# KiCad board usbc-car-module.kicad_pcb (continued)
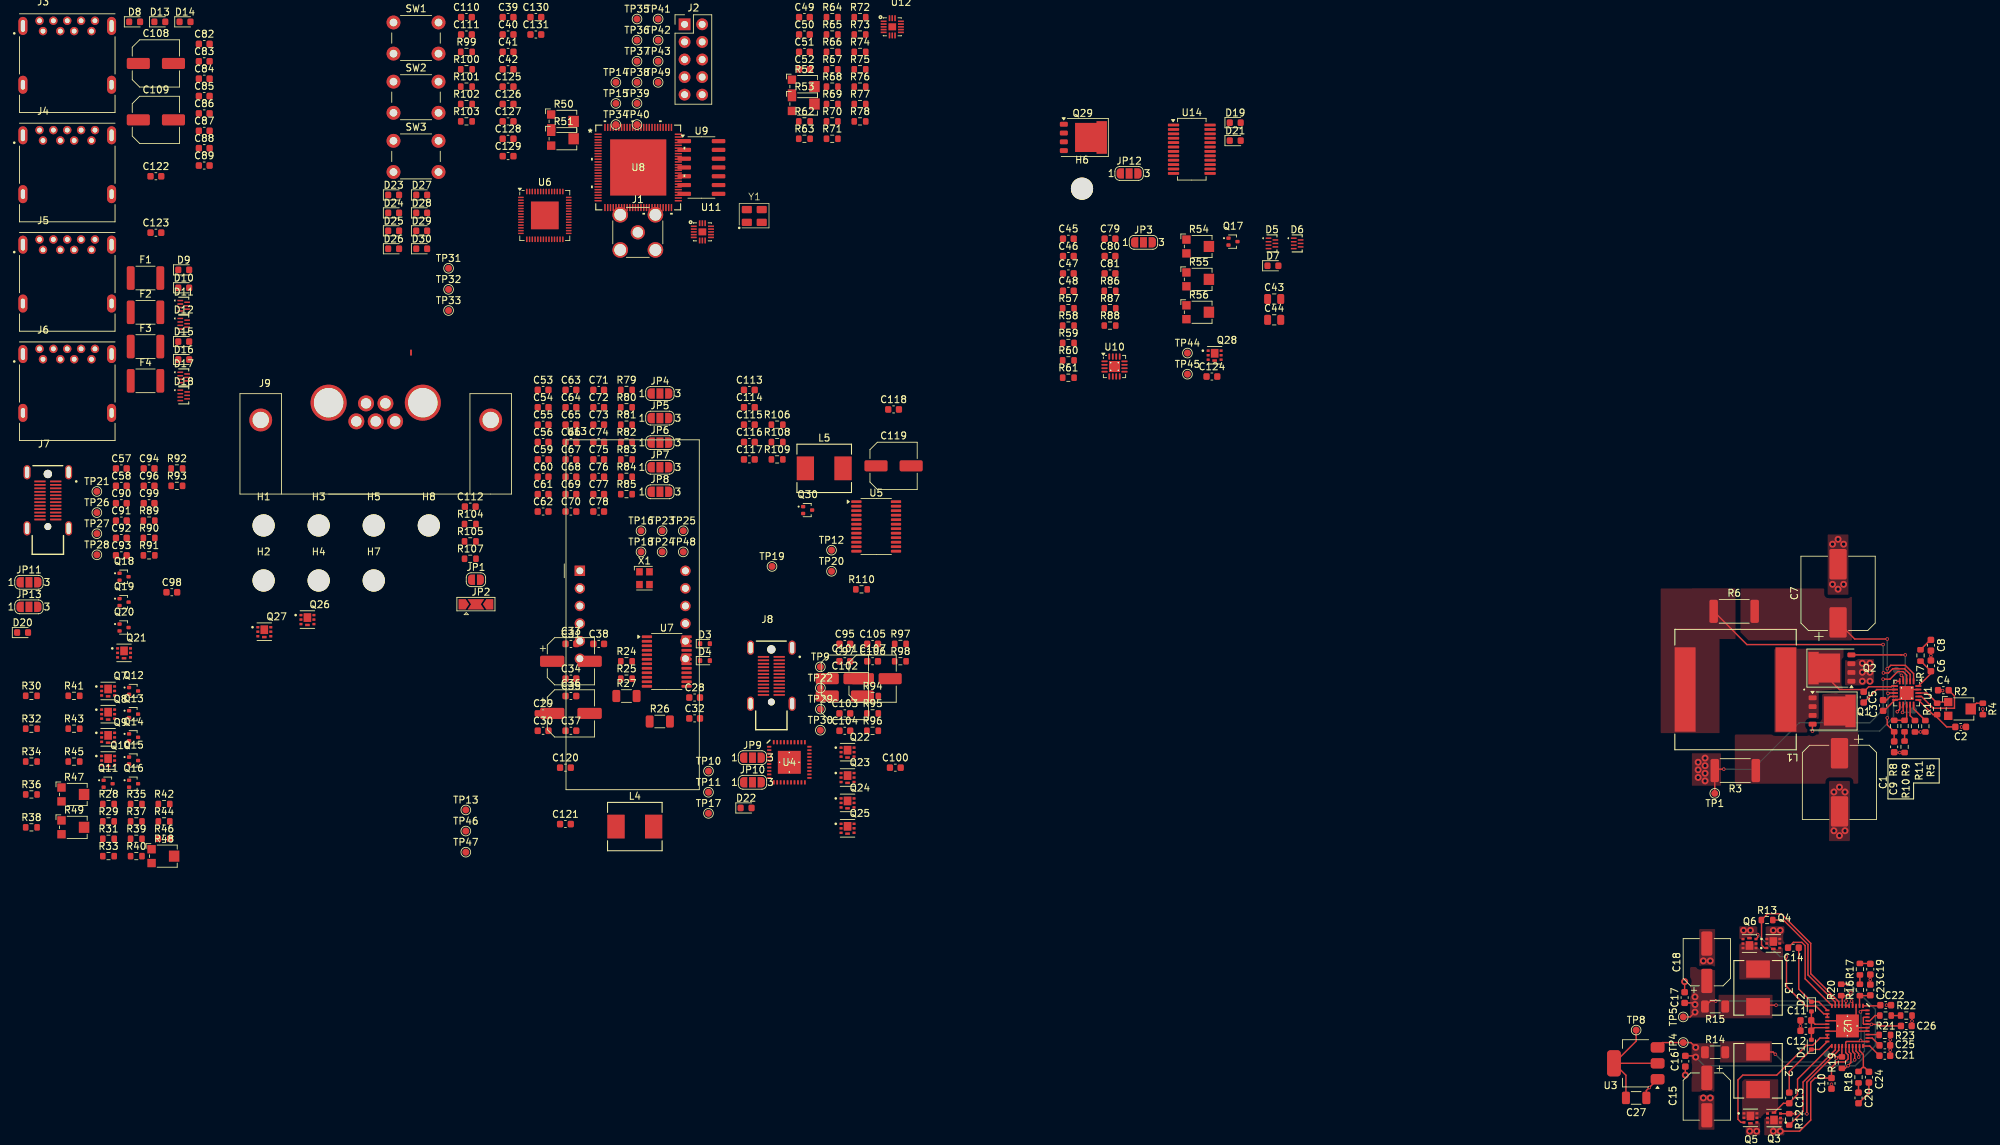
[diagram p0: board, top side]
## Placement (name value [footprint] x y rotation side) (continued)
TP38  TestPoint  [TestPoint_Pad_D1.0mm]  88.69 149.81 0 top
TP39  TestPoint  [TestPoint_Pad_D1.0mm]  88.69 146.76 0 top
TP40  TestPoint  [TestPoint_Pad_D1.0mm]  88.69 143.71 0 top
TP41  TestPoint  [TestPoint_Pad_D1.0mm]  91.74 158.96 0 top
TP42  TestPoint  [TestPoint_Pad_D1.0mm]  91.74 155.91 0 top
TP43  TestPoint  [TestPoint_Pad_D1.0mm]  91.74 152.86 0 top
TP44  TestPoint  [TestPoint_Pad_D1.0mm]  168.15 110.7 0 top
TP45  TestPoint  [TestPoint_Pad_D1.0mm]  168.15 107.65 0 top
TP46  TestPoint  [TestPoint_Pad_D1.0mm]  63.98 41.65 0 top
TP47  TestPoint  [TestPoint_Pad_D1.0mm]  63.98 38.6 0 top
TP48  TestPoint  [TestPoint_Pad_D1.0mm]  95.37 81.98 0 top
TP49  TestPoint  [TestPoint_Pad_D1.0mm]  91.74 149.81 0 top
U1  LM51231-Q1  [QFN-20-1EP_3.5x3.5mm_P0.5mm_EP2x2mm_ThermalVias]  271.97 61.59 270 top
U2  -  [LM5143]  263.42 13.5 270 top
U3  NCP565ST12T3G  [SOT-223-3_TabPin2]  232.87 8.1 180 top
U4  -  [LM5143]  110.68 51.58 0 top
U5  PI4IOE5V6416LEX  [TSSOP-24_4.4x7.8mm_P0.65mm]  123.22 85.65 0 top
U6  ESP32-S2FH2  [QFN-56-1EP_7x7mm_P0.4mm_EP4x4mm]  75.38 130.59 0 top
U7  PI4IOE5V6416LEX  [TSSOP-24_4.4x7.8mm_P0.65mm]  92.99 66.14 0 top
U8  USB5926C  [VQFN100_KD_MCH]  88.86 137.51 0 top
U9  TJA1043T/1J  [SOIC-14_3.9x8.7mm_P1.27mm]  97.99 137.51 0 top
U10  ADS7128  [WQFN-16-1EP_3x3mm_P0.5mm_EP1.6x1.6mm_ThermalVias]  157.62 108.76 0 top
U11  PTN110NHQZ  [PTN110]  98.13 128.21 0 top
U12  PTN110NHQZ  [PTN110]  125.54 157.83 0 top
U13  LTC-5723HR  [CA56-12CGKWA]  80.44 79.25 0 top
U14  AS1115-BSST  [QSOP-24_3.9x8.7mm_P0.635mm]  168.78 140.15 0 top
X1  ECS-2033-250-BN  [Oscillator_SMD_Kyocera_KC2520Z-4Pin_2.5x2.0mm]  89.76 78.18 0 top
Y1  40 MHz  [cx3225sa_e]  105.65 130.48 0 top

## Library data of the parts
C1-C14 C16 C17 C19-C32 C34 C35 C37-C44 C57 C58 C66 C67 C69-C100 C103-C106 C110-C118 C120-C131 = -: ki_fp_filters: C_*
C15 C18 C33 C36 C101 C102 C107-C109 C119 = -: ki_fp_filters: CP_*
C45-C50 C60-C62 C68 = -: Description: Unpolarized capacitor; Digikey Part Number: 399-C0603C104M5RACTUCT-ND; ki_fp_filters: C_*
C51-C56 C59 C63 = -: Description: Unpolarized capacitor; Digikey Part Number: 1276-1038-1-ND; ki_fp_filters: C_*
C64 C65 = -: Description: Unpolarized capacitor; Digikey Part Number: 4713-CHV0603N2508R2BCT-ND; ki_fp_filters: C_*
D1-D4 = -: ki_fp_filters: TO-???* *_Diode_* *SingleDiode* D_*
D7 D8 D13 D14 = -: Sim.Pins: 1=K 2=A; ki_fp_filters: TO-???* *_Diode_* *SingleDiode* D_*
D9 D10 D15 D16 = -: Datasheet: https://www.tme.eu/Document/c222ecc5bb53f0c6776065ca36cb316d/uclamp0501h.pdf; ki_fp_filters: TO-???* *_Diode_* *SingleDiode* D_*
D19-D30 = -: ki_fp_filters: LED* LED_SMD:* LED_THT:*
F1-F4 = -: ki_fp_filters: *polyfuse* *PTC*
H1-H8 = -: ki_fp_filters: MountingHole*
J1 = -: Description: coaxial connector (BNC, SMA, SMB, SMC, Cinch/RCA, LEMO, ...); Digikey Part Number: CONREVSMA001-G-ND; ki_fp_filters: *BNC* *SMA* *SMB* *SMC* *Cinch* *LEMO* *UMRF* *MCX* *U.FL*
J2 = -: Description: Generic connector, double row, 02x05, odd/even pin numbering scheme (row 1 odd numbers, row 2 even numbers), script generated (kicad-library-utils/schlib/autogen/connector/); Digikey Part Number: S9169-ND; ki_fp_filters: Connector*:*_2x??_*
J3-J6 = -: Description: USB-A (USB TYPE-A) USB 3.2 Gen 1 (USB 3.1 Gen 1, Superspeed (USB 3.0)) Receptacle Connector 9 Position Through Hole, Right Angle; DigiKey_Part_Number: WM10413TR-ND; MF: Molex; Purchase-URL: https://www.snapeda.com/api/url_track_click_mouser/?unipart_id=556617&manufacturer=Molex&part_name=0483930003&search_term=None; Package: None; STANDARD: Manufacturer Recommendations; PARTREV: A USB 3.0; SnapEDA_Link: https://www.snapeda.com/parts/0483930003/Molex/view-part/?ref=snap; Check_prices: https://www.snapeda.com/parts/0483930003/Molex/view-part/?ref=eda
J7 J8 = -: Datasheet: https://www.usb.org/sites/default/files/documents/usb_type-c.zip; ki_fp_filters: USB*C*Receptacle*
J9 = -: ki_fp_filters: DSUB*Female*
JP1 JP3-JP13 = -: ki_fp_filters: SolderJumper*Open*
JP2 = -: Description: Solder Jumper, 3-pole, open; ki_fp_filters: SolderJumper*Open*
L1-L5 = -: ki_fp_filters: Choke_* *Coil* Inductor_* L_*
Q1 Q2 Q11-Q20 Q30 = -: Datasheet: https://ngspice.sourceforge.io/docs/ngspice-manual.pdf; Sim.Device: NMOS; Sim.Type: VDMOS; Sim.Pins: 1=D 2=G 3=S
Q21-Q29 = -: Datasheet: https://ngspice.sourceforge.io/docs/ngspice-manual.pdf; Sim.Device: PMOS; Sim.Type: VDMOS; Sim.Pins: 1=D 2=G 3=S
R1-R56 R60 R63 R65-R110 = -: ki_fp_filters: R_*
R57 R58 = -: Description: Resistor; Digikey Part Number: 541-1.00KHCT-ND; ki_fp_filters: R_*
R59 R61 = -: Description: Resistor; Digikey Part Number: RMCF0603JT10K0CT-ND; ki_fp_filters: R_*
R62 R64 = -: Description: Resistor; Digikey Part Number: 541-5507-1-ND; ki_fp_filters: R_*
TP1-TP12 TP30-TP37 TP39 TP41-TP43 TP45 = -: ki_fp_filters: Pin* Test*
TP13-TP29 TP38 TP40 TP44 TP46-TP49 = -: Description: test point; ki_fp_filters: Pin* Test*
U3 = -: Datasheet: http://www.advanced-monolithic.com/pdf/ds1117.pdf; ki_fp_filters: SOT?223*TabPin2*
U6 = -: Datasheet: https://www.espressif.com/sites/default/files/documentation/esp32-s2_datasheet_en.pdf; Description: Microcontroller, Wi-Fi 802.11b/g/n, Bluetooth, 32bit; Digikey Part Number: 1904-ESP32-S2FH2CT-ND; ki_fp_filters: QFN*1EP*7x7mm*P0.4mm*
U9 = -: Datasheet: https://www.nxp.com/docs/en/data-sheet/TJA1043.pdf; Description: High-speed CAN-FD Transceiver with Sleep Mode, SOIC-14; Digikey Part Number: 568-13274-1-ND; ki_fp_filters: SOIC*3.9x8.7mm*P1.27mm*
U13 = -: Datasheet: http://www.kingbright.com/attachments/file/psearch/000/00/00/CC56-12CGKWA(Ver.8A).pdf; ki_fp_filters: *CA56*12CGKWA*
U14 = -: Datasheet: https://ams.com/documents/20143/36005/AS1115_DS000206_1-00.pdf/3d3e6d35-b184-1329-adf9-2d769eb2404f; ki_fp_filters: QSOP*3.9x8.7m*P0.635mm*
X1 = -: Datasheet: http://www.txccorp.com/download/products/osc/7C_o.pdf; ki_fp_filters: Oscillator*SMD*TXC*7C*5.0x3.2mm*
Y1 = -: Description: Four pin crystal, GND on pins 2 and 3; Digikey Part Number: 478-CX3225SA40000D0PTWCCCT-ND; ki_fp_filters: Crystal*

## Footprints (pads in the part's own frame, mm; a bottom-side part is the same pattern mirrored in y, then rotated)
684M7W2103L461
  round 5.2 hole 4.25: 1(-6.8,2.7) 2(6.8,2.7)
  round 2.3 hole 1.5: 3(-2.8,0) 4(0,0) 5(2.8,0) 6(-1.4,2.6) 7(1.4,2.6)
  round 3.3 hole 2.35: S(-16.6,0.2) S(16.6,0.2)
C_0603_1608Metric
  rrect 0.9x0.95 smd: 1(-0.775,0) 2(0.775,0)
C_0805_2012Metric
  rrect 1x1.45 smd: 1(-0.95,0) 2(0.95,0)
C_1206_3216Metric
  rrect 1.15x1.8 smd: 1(-1.475,0) 2(1.475,0)
C_Elec_6.3x5.8
  rrect 3.325x1.6 smd: 1(-2.538,0) 2(2.538,0)
CA56-12CGKWA
  rect 1.5x1.5 hole 1: 1(0,0)
  round 1.5 hole 1: 2(0,-2.54) 3(0,-5.08) 4(0,-7.62) 5(0,-10.16) 6(0,-12.7) 7(15.24,-12.7) 8(15.24,-10.16) 9(15.24,-7.62) 10(15.24,-5.08) 11(15.24,-2.54) 12(15.24,0)
CP_Elec_6.3x7.7
  rrect 3.5x1.6 smd: 1(-2.7,0) 2(2.7,0)
CP_Elec_10x10.5
  rrect 4.4x2.5 smd: 1(-4.2,0) 2(4.2,0)
cx3225sa_e
  rrect 1.45x1.05 smd: 1(-1.1,-0.9) 2(1.05,-0.9) 3(1.05,0.95) 4(-1.1,0.95)
D_0603_1608Metric
  rrect 0.875x0.95 smd: 1(-0.787,0) 2(0.787,0)
D_SOD-523
  rrect 0.6x0.7 smd: 1(-0.7,0) 2(0.7,0)
Fuse_1812_4532Metric
  rrect 1.125x3.4 smd: 1(-2.138,0) 2(2.138,0)
IND25X25CZ
  rect 2.489x3.429 smd: 1(-2.718,0) 2(2.718,0)
IND-6767GZ_VIS
  rect 3.023x12.192 smd: 1(-7.277,0) 2(7.277,0)
LM5143
  rect 0.6x0.25 smd: 1(-2.9,2.25) 2(-2.9,1.75) 3(-2.9,1.25) 4(-2.9,0.75) 5(-2.9,0.25) 6(-2.9,-0.25) 7(-2.9,-0.75) 8(-2.9,-1.25) 9(-2.9,-1.75) 10(-2.9,-2.25) 21(2.9,-2.25) 22(2.9,-1.75) 23(2.9,-1.25) 24(2.9,-0.75) 25(2.9,-0.25) 26(2.9,0.25) 27(2.9,0.75) 28(2.9,1.25) 29(2.9,1.75) 30(2.9,2.25)
  rect 0.25x0.6 smd: 11(-2.25,-2.9) 12(-1.75,-2.9) 13(-1.25,-2.9) 14(-0.75,-2.9) 15(-0.25,-2.9) 16(0.25,-2.9) 17(0.75,-2.9) 18(1.25,-2.9) 19(1.75,-2.9) 20(2.25,-2.9) 31(2.25,2.9) 32(1.75,2.9) 33(1.25,2.9) 34(0.75,2.9) 35(0.25,2.9) 36(-0.25,2.9) 37(-0.75,2.9) 38(-1.25,2.9) 39(-1.75,2.9) 40(-2.25,2.9)
  round 0.5 hole 0.203: 41(-1.4,0) 41(0,1.4) 41(0,0) 41(0,-1.4) 41(1.4,0)
  rect 3.3x3.3 smd: 41(0,0)
MOLEX_0483930003
  round 1.208 hole 0.7: 1(-3.5,4.625) 2(-1,4.625) 3(1,4.625) 4(3.5,4.625) 5(4,6.125) 6(2,6.125) 7(0,6.125) 8(-2,6.125) 9(-4,6.125)
  oval 1.3x2.6 hole 0.6x1.7: S(-6.4,5.375) S(6.4,5.375)
  oval 1.3x2.6 hole 0.6x1.4: S(-6.4,-3.125) S(6.4,-3.125)
MountingHole_3.2mm_M3
  round 3.2 hole 3.2 unplated: (0,0)
Oscillator_SMD_Kyocera_KC2520Z-4Pin_2.5x2.0mm
  rect 0.95x1.05 smd: 1(-0.725,0.925) 2(-0.725,-0.925) 3(0.725,-0.925) 4(0.725,0.925)
PinHeader_2x05_P2.54mm_Vertical
  rect 1.7x1.7 hole 1: 1(0,0)
  round 1.7 hole 1: 2(2.54,0) 3(0,-2.54) 4(2.54,-2.54) 5(0,-5.08) 6(2.54,-5.08) 7(0,-7.62) 8(2.54,-7.62) 9(0,-10.16) 10(2.54,-10.16)
Potentiometer_Bourns_TC33X_Vertical
  rect 1.2x1.2 smd: 1(-1.8,1) 3(-1.8,-1)
  rect 1.5x1.6 smd: 2(1.45,0)
PQFN-8-EP_6x5mm_P1.27mm_Generic
  rect 0.6x0.9 smd: (-0.55,1.15) (-0.55,0) (-0.55,-1.15) (0.3,1.15) (0.3,0) (0.3,-1.15) (1.15,1.15) (1.15,0) (1.15,-1.15) (2,1.15) (2,0) (2,-1.15)
  rect 0.9x0.6 smd: (3,1.905) (3,0.635) (3,-0.635) (3,-1.905)
  rrect 1.15x0.7 smd: 1(-2.725,1.905) 2(-2.725,0.635) 3(-2.725,-0.635) 4(-2.725,-1.905)
  custom 4.6x4.7 smd: 5(0,0)
PTN110
  rrect 0.84x0.22 smd: 1(-1.245,0.8) 2(-1.245,0.4) 3(-1.245,0) 4(-1.245,-0.4) 5(-1.245,-0.8) 9(1.245,-0.8) 10(1.245,-0.4) 11(1.245,0) 12(1.245,0.4) 13(1.245,0.8)
  rrect 0.22x0.84 smd: 6(-0.4,-1.245) 7(0,-1.245) 8(0.4,-1.245) 14(0.4,1.245) 15(0,1.245) 16(-0.4,1.245)
  rect 1.1x1 smd: 17(0,0)
PUSB3AB6Z_NEX
  rect 0.813x0.203 smd: 1(-0.495,0.75) 2(-0.495,0.25) 3(-0.495,-0.25) 4(-0.495,-0.75) 5(0.495,-0.5) 6(0.495,0) 7(0.495,0.5)
QFN-20-1EP_3.5x3.5mm_P0.5mm_EP2x2mm_ThermalVias
  rrect 0.87x0.87 smd: (-0.5,0.5) (-0.5,-0.5) (0.5,0.5) (0.5,-0.5)
  rrect 0.875x0.25 smd: 1(-1.688,1) 2(-1.688,0.5) 3(-1.688,0) 4(-1.688,-0.5) 5(-1.688,-1) 11(1.688,-1) 12(1.688,-0.5) 13(1.688,0) 14(1.688,0.5) 15(1.688,1)
  rrect 0.25x0.875 smd: 6(-1,-1.688) 7(-0.5,-1.688) 8(0,-1.688) 9(0.5,-1.688) 10(1,-1.688) 16(1,1.688) 17(0.5,1.688) 18(0,1.688) 19(-0.5,1.688) 20(-1,1.688)
  round 0.5 hole 0.2: 21(-0.75,0.75) 21(-0.75,-0.75) 21(0.75,0.75) 21(0.75,-0.75)
  rect 2x2 smd: 21(0,0)
QFN-56-1EP_7x7mm_P0.4mm_EP4x4mm
  rrect 1.07x1.07 smd: (-1.33,1.33) (-1.33,0) (-1.33,-1.33) (0,1.33) (0,0) (0,-1.33) (1.33,1.33) (1.33,0) (1.33,-1.33)
  rrect 0.8x0.2 smd: 1(-3.45,2.6) 2(-3.45,2.2) 3(-3.45,1.8) 4(-3.45,1.4) 5(-3.45,1) 6(-3.45,0.6) 7(-3.45,0.2) 8(-3.45,-0.2) 9(-3.45,-0.6) 10(-3.45,-1) 11(-3.45,-1.4) 12(-3.45,-1.8) 13(-3.45,-2.2) 14(-3.45,-2.6) 29(3.45,-2.6) 30(3.45,-2.2) 31(3.45,-1.8) 32(3.45,-1.4) 33(3.45,-1) 34(3.45,-0.6) 35(3.45,-0.2) 36(3.45,0.2) 37(3.45,0.6) 38(3.45,1) 39(3.45,1.4) 40(3.45,1.8) 41(3.45,2.2) 42(3.45,2.6)
  rrect 0.2x0.8 smd: 15(-2.6,-3.45) 16(-2.2,-3.45) 17(-1.8,-3.45) 18(-1.4,-3.45) 19(-1,-3.45) 20(-0.6,-3.45) 21(-0.2,-3.45) 22(0.2,-3.45) 23(0.6,-3.45) 24(1,-3.45) 25(1.4,-3.45) 26(1.8,-3.45) 27(2.2,-3.45) 28(2.6,-3.45) 43(2.6,3.45) 44(2.2,3.45) 45(1.8,3.45) 46(1.4,3.45) 47(1,3.45) 48(0.6,3.45) 49(0.2,3.45) 50(-0.2,3.45) 51(-0.6,3.45) 52(-1,3.45) 53(-1.4,3.45) 54(-1.8,3.45) 55(-2.2,3.45) 56(-2.6,3.45)
  rect 4x4 smd: 57(0,0)
QSOP-24_3.9x8.7mm_P0.635mm
  rrect 1.625x0.4 smd: 1(-2.638,3.493) 2(-2.638,2.857) 3(-2.638,2.223) 4(-2.638,1.587) 5(-2.638,0.953) 6(-2.638,0.318) 7(-2.638,-0.318) 8(-2.638,-0.953) 9(-2.638,-1.587) 10(-2.638,-2.223) 11(-2.638,-2.857) 12(-2.638,-3.493) 13(2.638,-3.493) 14(2.638,-2.857) 15(2.638,-2.223) 16(2.638,-1.587) 17(2.638,-0.953) 18(2.638,-0.318) 19(2.638,0.318) 20(2.638,0.953) 21(2.638,1.587) 22(2.638,2.223) 23(2.638,2.857) 24(2.638,3.493)
R_0603_1608Metric
  rrect 0.8x0.95 smd: 1(-0.825,0) 2(0.825,0)
R_1206_3216Metric
  rrect 1.125x1.75 smd: 1(-1.462,0) 2(1.462,0)
R_2512_6332Metric
  rrect 1.225x3.35 smd: 1(-2.962,0) 2(2.962,0)
SMA_Amphenol_132291-12_Vertical
  round 2.05 hole 1.5: 1(0,0)
  round 2.25 hole 1.7: 2(-2.54,2.54) 2(-2.54,-2.54) 2(2.54,2.54) 2(2.54,-2.54)
SOIC-14_3.9x8.7mm_P1.27mm
  rrect 1.95x0.6 smd: 1(-2.475,3.81) 2(-2.475,2.54) 3(-2.475,1.27) 4(-2.475,0) 5(-2.475,-1.27) 6(-2.475,-2.54) 7(-2.475,-3.81) 8(2.475,-3.81) 9(2.475,-2.54) 10(2.475,-1.27) 11(2.475,0) 12(2.475,1.27) 13(2.475,2.54) 14(2.475,3.81)
SolderJumper-2_P1.3mm_Open_RoundedPad1.0x1.5mm
  custom 1x1.5 smd: 1(-0.65,0) 2(0.65,0)
SolderJumper-3_P1.3mm_Open_RoundedPad1.0x1.5mm_NumberLabels
  custom 1.05x1.5 smd: 1(-1.3,0) 3(1.3,0)
  rect 1x1.5 smd: 2(0,0)
SolderJumper-3_P2.0mm_Open_TrianglePad1.0x1.5mm
  custom 1.5x1.5 smd: 1(-2,0) 3(2,0)
  custom 2.4x1.5 smd: 2(0,0)
SOT-223-3_TabPin2
  rrect 2x1.5 smd: 1(-3.15,2.3) 2(-3.15,0) 3(-3.15,-2.3)
  rrect 2x3.8 smd: 2(3.15,0)
SOT-416
  rrect 0.6x0.5 smd: 1(-0.65,0.5) 2(-0.65,-0.5) 3(0.65,0)
SW_PUSH_6mm
  round 2 hole 1.1: 1(0,0) 1(6.5,0) 2(0,-4.5) 2(6.5,-4.5)
TestPoint_Pad_D1.0mm
  round 1 smd: 1(0,0)
TRANS_PMPB11EN_115
  rect 0.43x0.35 smd: 1(-0.935,0.65) 2(-0.935,0) 3(-0.935,-0.65) 4(0.935,-0.65) 5(0.935,0) 6(0.935,0.65)
  rect 1.1x1.25 smd: 7(0,0.285)
  rect 0.66x0.35 smd: 8(0,-0.775)
TSSOP-24_4.4x7.8mm_P0.65mm
  rrect 1.475x0.4 smd: 1(-2.862,3.575) 2(-2.862,2.925) 3(-2.862,2.275) 4(-2.862,1.625) 5(-2.862,0.975) 6(-2.862,0.325) 7(-2.862,-0.325) 8(-2.862,-0.975) 9(-2.862,-1.625) 10(-2.862,-2.275) 11(-2.862,-2.925) 12(-2.862,-3.575) 13(2.862,-3.575) 14(2.862,-2.925) 15(2.862,-2.275) 16(2.862,-1.625) 17(2.862,-0.975) 18(2.862,-0.325) 19(2.862,0.325) 20(2.862,0.975) 21(2.862,1.625) 22(2.862,2.275) 23(2.862,2.925) 24(2.862,3.575)
USB4200-03-A_REVA
  round 1.2 hole 1.2 unplated: (0,3.8)
  round 1 hole 1 unplated: (0,-3.8)
  rect 1.625x0.25 smd: A1(1.137,2.725) A2(1.137,2.225) A3(1.137,1.725) A4(1.137,1.225) A5(1.137,0.725) A6(1.137,0.225) A7(1.137,-0.275) A8(1.137,-0.775) A9(1.137,-1.275) A10(1.137,-1.775) A11(1.137,-2.275) A12(1.137,-2.775) B1(-1.137,-2.775) B2(-1.137,-2.275) B3(-1.137,-1.775) B4(-1.137,-1.275) B5(-1.137,-0.775) B6(-1.137,-0.275) B7(-1.137,0.225) B8(-1.137,0.725) B9(-1.137,1.225) B10(-1.137,1.725) B11(-1.137,2.225) B12(-1.137,2.725)
  oval 1x2.05 hole 0.6x1.65: S1(3,4.05) S2(3,-4.05) S3(-3,4.05) S4(-3,-4.05)
VQFN100_KD_MCH
  rect 1.016x0.203 smd: 1(-5.791,4.8) 2(-5.791,4.4) 3(-5.791,4) 4(-5.791,3.6) 5(-5.791,3.2) 6(-5.791,2.8) 7(-5.791,2.4) 8(-5.791,2) 9(-5.791,1.6) 10(-5.791,1.2) 11(-5.791,0.8) 12(-5.791,0.4) 13(-5.791,0) 14(-5.791,-0.4) 15(-5.791,-0.8) 16(-5.791,-1.2) 17(-5.791,-1.6) 18(-5.791,-2) 19(-5.791,-2.4) 20(-5.791,-2.8) 21(-5.791,-3.2) 22(-5.791,-3.6) 23(-5.791,-4) 24(-5.791,-4.4) 25(-5.791,-4.8) 51(5.791,-4.8) 52(5.791,-4.4) 53(5.791,-4) 54(5.791,-3.6) 55(5.791,-3.2) 56(5.791,-2.8) 57(5.791,-2.4) 58(5.791,-2) 59(5.791,-1.6) 60(5.791,-1.2) 61(5.791,-0.8) 62(5.791,-0.4) 63(5.791,0) 64(5.791,0.4) 65(5.791,0.8) 66(5.791,1.2) 67(5.791,1.6) 68(5.791,2) 69(5.791,2.4) 70(5.791,2.8) 71(5.791,3.2) 72(5.791,3.6) 73(5.791,4) 74(5.791,4.4) 75(5.791,4.8)
  rect 0.203x1.016 smd: 26(-4.8,-5.791) 27(-4.4,-5.791) 28(-4,-5.791) 29(-3.6,-5.791) 30(-3.2,-5.791) 31(-2.8,-5.791) 32(-2.4,-5.791) 33(-2,-5.791) 34(-1.6,-5.791) 35(-1.2,-5.791) 36(-0.8,-5.791) 37(-0.4,-5.791) 38(0,-5.791) 39(0.4,-5.791) 40(0.8,-5.791) 41(1.2,-5.791) 42(1.6,-5.791) 43(2,-5.791) 44(2.4,-5.791) 45(2.8,-5.791) 46(3.2,-5.791) 47(3.6,-5.791) 48(4,-5.791) 49(4.4,-5.791) 50(4.8,-5.791) 76(4.8,5.791) 77(4.4,5.791) 78(4,5.791) 79(3.6,5.791) 80(3.2,5.791) 81(2.8,5.791) 82(2.4,5.791) 83(2,5.791) 84(1.6,5.791) 85(1.2,5.791) 86(0.8,5.791) 87(0.4,5.791) 88(0,5.791) 89(-0.4,5.791) 90(-0.8,5.791) 91(-1.2,5.791) 92(-1.6,5.791) 93(-2,5.791) 94(-2.4,5.791) 95(-2.8,5.791) 96(-3.2,5.791) 97(-3.6,5.791) 98(-4,5.791) 99(-4.4,5.791) 100(-4.8,5.791)
  rect 8.103x8.103 smd: 101(0,0)
WQFN-16-1EP_3x3mm_P0.5mm_EP1.6x1.6mm_ThermalVias
  rrect 0.69x0.69 smd: (-0.4,0.4) (-0.4,-0.4) (0.4,0.4) (0.4,-0.4)
  rrect 0.875x0.25 smd: 1(-1.438,0.75) 2(-1.438,0.25) 3(-1.438,-0.25) 4(-1.438,-0.75) 9(1.438,-0.75) 10(1.438,-0.25) 11(1.438,0.25) 12(1.438,0.75)
  rrect 0.25x0.875 smd: 5(-0.75,-1.438) 6(-0.25,-1.438) 7(0.25,-1.438) 8(0.75,-1.438) 13(0.75,1.438) 14(0.25,1.438) 15(-0.25,1.438) 16(-0.75,1.438)
  round 0.5 hole 0.2: 17(-0.55,0.55) 17(-0.55,-0.55) 17(0.55,0.55) 17(0.55,-0.55)
  rect 1.6x1.6 smd: 17(0,0)
  rect 1.6x1.6 smd far side: 17(0,0)

## Nets
5V_ADC: R67.2 R76.1 U10.1
5V_CSN: L3.2 R15.1 R68.1 U2.4
5V_CSN_ADC: R68.2 R77.1 U10.2
21V_ADC: R65.2 R74.1 U10.15
21V_COMP: C6.1 R7.1 U1.20
21V_CSN: C1.1 Q1.5 R3.1 R66.1
21V_CSN_ADC: R66.2 R75.1 U10.16
+1V2: C27.1 C78.1 C79.1 C80.1 C81.1 C82.1 C83.1 C84.1 C90.2 C91.2 C92.2 C93.2 C94.2 C95.2 C96.2 TP8.1 U3.2 U8.10 U8.17 U8.26 U8.32 U8.39 U8.47 U8.59 U8.78 U8.83 U8.90 U8.98
+3V3: C15.1 C16.1 C45.1 C46.1 C47.1 C48.1 C49.1 C50.1 C51.1 C52.1 C53.1 C54.1 C55.1 C56.1 C57.1 C58.1 C59.1 C60.1 C61.1 C66.1 C67.1 C69.1 C70.1 C71.1 C73.2 C74.2 C75.2 C76.2 C77.2 C85.1 C86.1 C87.1 C88.1 C89.1 C116.1 C117.1 C126.1 C127.1 C129.1 C130.1 J2.2 JP3.1 JP4.1 JP5.1 JP6.1 JP8.3 JP10.3 R14.1 R19.1 R20.2 R30.1 R31.2 R57.1 R58.1 R59.1 R60.1 R61.1 R63.1 R84.2 R87.2 R93.2 R94.2 R99.2 R100.2 R103.1 R104.1 R105.1 R106.1 R107.1 TP4.1 U2.26 U3.3 U5.2 U5.21 U5.24 U6.1 U6.3 U6.4 U6.20 U6.27 U6.30 U6.45 U6.51 U6.54 U7.2 U7.24 U8.2 U8.5 U8.27 U8.42 U8.54 U8.64 U8.72 U8.93 U9.3 U9.5 U10.7 U10.10 U11.3 U12.3 U14.19 X1.1 X1.4
+5V: C17.1 C18.1 F1.2 F2.2 F3.2 F4.2 JP8.1 JP9.3 JP10.1 JP11.3 R15.2 R67.1 TP5.1 U2.5 U2.6 U4.6
+12V: C62.1 C63.1 U9.10
+21V: C10.2 C28.2 Q3.1 Q3.2 Q3.5 Q3.6 Q3.7 Q4.1 Q4.2 Q4.5 Q4.6 Q4.7 Q7.1 Q7.2 Q7.5 Q7.6 Q7.7 Q8.1 Q8.2 Q8.5 Q8.6 Q8.7 R3.2 R65.1 TP1.1 U1.3 U2.25 U2.31 U2.40 U4.25
/12-21V INPUT BOOST CONVERTER/21V_COMP_1: C8.1 R7.2
/12-21V INPUT BOOST CONVERTER/21V_VCC: C3.1 U1.9
GND: C1.2 C2.2 C3.2 C4.1 C6.2 C7.2 C8.2 C9.2 C10.1 C11.2 C12.2 C15.2 C16.2 C17.2 C18.2 C19.2 C20.1 C21.1 C22.1 C23.2 C24.1 C25.1 C26.1 C27.2 C28.1 C29.2 C30.2 C33.2 C34.2 C35.2 C36.2 C37.2 C38.1 C39.1 C40.1 C41.2 C42.1 C43.1 C44.1 C45.2 C46.2 C47.2 C48.2 C49.2 C50.2 C51.2 C52.2 C53.2 C54.2 C55.2 C56.2 C57.2 C58.2 C59.2 C60.2 C61.2 C62.2 C63.2 C64.2 C65.2 C66.2 C67.2 C68.2 C69.2 C70.2 C71.2 C72.2 C73.1 C74.1 C75.1 C76.1 C77.1 C78.2 C79.2 C80.2 C81.2 C82.2 C83.2 C84.2 C85.2 C86.2 C87.2 C88.2 C89.2 C90.1 C91.1 C92.1 C93.1 C94.1 C95.1 C96.1 C101.2 C102.2 C107.2 C108.2 C109.2 C114.2 C115.1 C116.2 C117.2 C118.2 C119.2 C124.2 C125.1 C126.2 C127.2 C128.2 C129.2 C130.2 C131.1 D5.2 D6.2 D9.2 D10.2 D11.2 D12.2 D15.2 D16.2 D17.2 D18.2 J1.2 J2.1 J3.4 J3.7 J4.4 J4.7 J5.4 J5.7 J6.4 J6.7 J7.A1 J7.A12 J7.B1 J7.B12 J8.A1 J8.A12 J8.B1 J8.B12 J9.2 JP3.3 JP4.3 JP5.3 JP6.3 Q2.1 Q2.2 Q2.3 Q5.4 Q5.8 Q6.4 Q6.8 Q9.4 Q9.8 Q10.4 Q10.8 Q11.3 Q12.3 Q13.3 Q14.3 Q15.3 Q16.3 Q17.3 Q18.3 Q19.3 Q20.3 Q30.2 R4.2 R5.1 R10.2 R11.2 R22.2 R23.2 R33.2 R34.2 R74.2 R75.2 R76.2 R77.2 R78.2 R79.2 R80.2 R81.2 R83.2 R85.1 R88.2 R90.2 R109.2 R110.1 SW1.2 SW2.2 SW3.2 U1.10 U1.19 U1.21 U2.3 U2.14 U2.17 U2.34 U2.35 U2.41 U3.1 U4.14 U4.17 U4.34 U4.35 U4.41 U5.12 U6.50 U6.55 U6.57 U7.12 U7.21 U8.23 U8.101 U9.2 U10.9 U10.17 U11.17 U12.5 U12.17 U14.6 X1.2 Y1.2 Y1.4
GNDS: C131.2 J3.S J4.S J5.S J6.S J9.S R110.2
VDDA_U2: C26.2 U2.28 U2.36 U2.38
5_3.3_SYNC_OUT: R34.1 TP12.1 U2.39 U4.33
/12-21V INPUT BOOST CONVERTER/CSN: L1.2 R6.1 U1.2
/12-21V INPUT BOOST CONVERTER/HB: C5.1 U1.7
/12-21V INPUT BOOST CONVERTER/HI_SW: Q1.4 U1.5
/12-21V INPUT BOOST CONVERTER/LO_SW: Q2.4 U1.11
/12-21V INPUT BOOST CONVERTER/RT: R5.2 U1.15
/12-21V INPUT BOOST CONVERTER/SS: C4.2 U1.17
/12-21V INPUT BOOST CONVERTER/SW: C5.2 L1.1 Q1.1 Q1.2 Q1.3 Q2.5 U1.6
/12-21V INPUT BOOST CONVERTER/TRK: R1.2 R2.1 U1.18
/12-21V INPUT BOOST CONVERTER/UVLO/EN: R8.2 R9.1 U1.13
/12-21V INPUT BOOST CONVERTER/VREF: C2.1 R1.1 U1.16
/BACK_UFP_USB_C_PORT/UFP_TXA_N: C110.1 J7.A3
/BACK_UFP_USB_C_PORT/UFP_TXA_P: C111.2 J7.A2
/BACK_UFP_USB_C_PORT/UFP_TXB_N: C112.1 J7.B3
/BACK_UFP_USB_C_PORT/UFP_TXB_P: C113.2 J7.B2
/FRONT_DFP_USB_C_PORT/DFP_RXA_N: C122.1 J8.A10
/FRONT_DFP_USB_C_PORT/DFP_RXA_P: C123.2 J8.A11
/FRONT_DFP_USB_C_PORT/DFP_RXB_N: C120.1 J8.B10
/FRONT_DFP_USB_C_PORT/DFP_RXB_P: C121.2 J8.B11
/USBA_PORTS/P2_2_N: D5.1 J3.3 U8.36
/USBA_PORTS/P2_2_P: D5.7 J3.2 U8.35
/USBA_PORTS/P2_RX_N: D5.4 J3.5 U8.41
/USBA_PORTS/P2_RX_P: D5.3 J3.6 U8.40
/USBA_PORTS/P2_TX_N: C99.2 U8.38
/USBA_PORTS/P2_TX_P: C97.1 U8.37
/USBA_PORTS/P2_TXP_N: C99.1 D5.6 J3.8
/USBA_PORTS/P2_TXP_P: C97.2 D5.5 J3.9
/USBA_PORTS/P3_2_N: D6.1 J4.3 U8.44
/USBA_PORTS/P3_2_P: D6.7 J4.2 U8.43
/USBA_PORTS/P3_RX_N: D6.4 J4.5 U8.49
/USBA_PORTS/P3_RX_P: D6.3 U8.48
/USBA_PORTS/P3_TX_N: C100.2 U8.46
/USBA_PORTS/P3_TX_P: C98.1 U8.45
/USBA_PORTS/P3_TXP_N: C100.1 D6.6 J4.8
/USBA_PORTS/P3_TXP_P: C98.2 D6.5 J4.9
/USBA_PORTS/P4_2_N: D12.1 J6.2 U8.87
/USBA_PORTS/P4_2_P: D12.7 J6.3 U8.86
/USBA_PORTS/P4_RX_N: D12.4 J6.5 U8.92
/USBA_PORTS/P4_RX_P: D12.3 J6.6 U8.91
/USBA_PORTS/P4_TX_N: C106.2 U8.89
/USBA_PORTS/P4_TX_P: C104.1 U8.88
/USBA_PORTS/P4_TXP_N: C106.1 D12.6 J6.8
/USBA_PORTS/P4_TXP_P: C104.2 D12.5 J6.9
/USBA_PORTS/P5_2_N: D11.1 J5.3 U8.29
/USBA_PORTS/P5_2_P: D11.7 J5.2 U8.28
/USBA_PORTS/P5_RX_N: D11.4 J5.5 U8.34
/USBA_PORTS/P5_RX_P: D11.3 J5.6 U8.33
/USBA_PORTS/P5_TX_N: C105.2 U8.31
/USBA_PORTS/P5_TX_P: C103.1 U8.30
/USBA_PORTS/P5_TXP_N: C105.1 D11.6 J5.8
/USBA_PORTS/P5_TXP_P: C103.2 D11.5 J5.9
ADC_01_ALERT: U6.21
ADC_02_ALERT: U6.22
ADC_ALERT: U5.20 U10.12
B_SUB-C_BUCK_P-GOOD: R30.2 U4.24 U5.9
B_USB-C_BUCK_5V_SEL: Q20.2 U5.14
B_USB-C_BUCK_9V_SEL: Q14.2 U5.15
B_USB-C_BUCK_12V_SEL: Q19.2 U5.16
B_USB-C_BUCK_15V_SEL: Q13.2 U5.17
B_USB-C_BUCK_20V_SEL: Q18.2 U5.18
B_USB-C_BUCK_EN: U4.31 U5.13
B_USB-C_BUCK_FB: R36.2 R42.1 R43.1 R44.1 R45.1 R46.1 U4.28
B_USB-C_BUCK_OUT: C33.1 C34.1 JP9.1 Q22.1 Q22.2 Q22.5 Q22.6 Q22.7 R26.1 R36.1 R69.1 TP9.1 U4.26
B_USB-C_BUCK_OUT_ADC: R69.2 R78.1 U10.3
B_USB-C_CSN: L4.1 R26.2 R70.1 U4.27
B_USB-C_CSN_ADC: R70.2 R79.1 U10.4
CAN_EN: U6.42 U9.6
CAN_ERR: U6.37 U9.8
CAN_H: J9.3 R62.1 U9.13
CAN_INT: U7.5
CAN_L: J9.4 R64.2 U9.12
CAN_RX: U6.41 U9.4
CAN_STB: U6.39 U9.14
CAN_TX: U6.40 U9.1
CAN_WAKE: U6.38 U9.9
CAR_12V_IN: C7.1 C9.1 Q29.5 R6.2 R8.1 R82.1 U1.1 U1.8
CAR_12V_IN_ADC: R82.2 R83.1
DFP_2_N: D18.5 J8.A7 J8.B7 U8.7
DFP_2_P: D18.4 J8.A6 J8.B6 U8.6
DFP_3_RXA_N: C123.1 U8.12
DFP_3_RXA_P: C122.2 U8.11
DFP_3_RXB_N: C121.1 U8.19
DFP_3_RXB_P: C120.2 U8.18
DFP_3_TXA_N: J8.A3 U8.9
DFP_3_TXA_P: J8.A2 U8.8
DFP_3_TXB_N: J8.B3 U8.16
DFP_3_TXB_P: J8.B2 U8.15
DFP_ALERT: U7.13
DFP_ALERT_N: R99.1 U12.10
DFP_C_ATTACH_1: U7.9 U8.73
DFP_CC1: D18.7 J8.A5 U12.13
DFP_CC2: D18.1 J8.B5 U12.14
DFP_CC_ORIENT: U7.16 U8.50
DFP_DBGACC: JP1.1 U12.9
DFP_VBUS: C119.1 C125.2 J8.A4 J8.A9 J8.B4 J8.B9 Q25.1 Q25.2 Q25.5 Q25.6 Q25.7 Q27.1 Q27.2 Q27.5 Q27.6 Q27.7 U12.15
DISP_DIG_0: U13.12 U14.2
DISP_DIG_1: U13.9 U14.3
DISP_DIG_2: U13.8 U14.4
DISP_DIG_3: U13.6 U14.5
DISP_DIG_6: D20.1 D22.1 D24.1 D26.1 D28.1 U14.9
DISP_DIG_7: D19.1 D21.1 D23.1 D25.1 D27.1 D29.1 D30.1 U14.10
DISP_IRQ: R103.2 U7.17 U14.24
DISP_SEG_A: D19.2 D20.2 U13.11 U14.15
DISP_SEG_B: D21.2 D22.2 U13.7 U14.17
DISP_SEG_C: D23.2 D24.2 U13.4 U14.20
DISP_SEG_D: D25.2 D26.2 U13.2 U14.23
DISP_SEG_DP: U13.3 U14.22
DISP_SEG_E: D27.2 D28.2 U13.1 U14.21
DISP_SEG_F: D29.2 U13.10 U14.16
DISP_SEG_G: D30.2 U13.5 U14.11 U14.18
DSUB_P_6: J9.6 JP13.2
DSUB_P_7: J9.7 JP12.2
ESP_IO0: J2.5 R59.2 U6.5
ESP_RX: J2.6 U6.49
ESP_TX: J2.4 U6.48
ESP_USB_N: U6.25 U8.14
ESP_USB_P: U6.26 U8.13
F_SUB-C_BUCK_P-GOOD: R31.1 U4.7 U5.10
F_USB-C_BUCK_5V_SEL: Q17.2 U5.4
F_USB-C_BUCK_9V_SEL: Q12.2 U5.5
F_USB-C_BUCK_12V_SEL: Q16.2 U5.6
F_USB-C_BUCK_15V_SEL: Q11.2 U5.7
F_USB-C_BUCK_20V_SEL: Q15.2 U5.8
F_USB-C_BUCK_EN: U4.40 U5.11
F_USB-C_BUCK_FB: R35.2 R37.1 R38.1 R39.1 R40.1 R41.1 U4.3
F_USB-C_BUCK_OUT: C35.1 C36.1 JP11.1 Q26.1 Q26.2 Q26.5 Q26.6 Q26.7 R27.2 R35.1 R71.1 TP10.1 U4.5
F_USB-C_BUCK_OUT_ADC: R71.2 R80.1 U10.5
F_USB-C_CSN: L5.2 R27.1 R72.1 U4.4
F_USB-C_CSN_ADC: R72.2 R81.1 U10.6
HUB_VBUS_DET: U7.10 U8.24
I2C_SCL: JP12.1 R58.2 TP14.1 U5.22 U6.7 U7.22 U8.75 U10.13 U11.8 U12.8 U14.14
I2C_SDA: JP13.1 R57.2 TP13.1 U5.23 U6.8 U7.23 U8.74 U10.14 U11.7 U12.7 U14.1
IOX0_INT: R63.2 U7.1
IOX1_INT: R60.2 U5.1 U7.4
IOX_0_INT: U6.6
IOX_0_P_0_0: JP13.3 U7.7
IOX_0_P_0_1: JP12.3 U7.6
LNA: J1.1 U6.2
MAIN BOOST CLOCK IN: R11.1 U1.14
MODE_BTN: R107.2 SW3.1 U7.18
MTCK: J2.9 U6.43
MTD0: J2.7 U6.44
MTDI: J2.8 U6.46
MTMS: J2.10 U6.47
RST: J2.3 JP7.3 R61.2 TP29.1 U5.3 U6.56 U7.3
SRC_BTN: R105.2 SW1.1 U7.20
UFP_2_N: D17.7 J7.A7 J7.B7 U8.95
UFP_2_P: D17.1 J7.A6 J7.B6 U8.94
UFP_3_RXA_N: J7.A11 U8.100
UFP_3_RXA_P: J7.A10 U8.99
UFP_3_RXB_N: J7.B11 U8.85
UFP_3_RXB_P: J7.B10 U8.84
UFP_3_TXA_N: C110.2 U8.97
UFP_3_TXA_P: C111.1 U8.96
UFP_3_TXB_N: C112.2 U8.82
UFP_3_TXB_P: C113.1 U8.81
UFP_ALERT: U7.14
UFP_ALERT_N: R93.1 U11.10
UFP_C_ATTACH_0: U7.11 U8.76
UFP_CC1: D17.5 J7.A5 U11.13
UFP_CC2: D17.4 J7.B5 U11.14
UFP_CC_ORIENT: U7.8 U8.60
UFP_DBGACC: U7.15 U11.9
UFP_VBUS: C109.1 C115.2 J7.A4 J7.A9 J7.B4 J7.B9 Q21.1 Q21.2 Q21.5 Q21.6 Q21.7 Q23.1 Q23.2 Q23.5 Q23.6 Q23.7 U11.15
UNIT_BTN: R106.2 SW2.1 U7.19
Net-(C19-Pad1): C19.1 R17.2
Net-(C20-Pad2): C20.2 R18.1
Net-(C37-Pad1): C37.1 R28.2
Net-(C38-Pad2): C38.2 R29.1
Net-(D1-A): C11.1 C12.1 D1.2 D2.2 U2.15 U2.16
Net-(D1-K): C13.2 D1.1 U2.20
Net-(D2-K): C14.1 D2.1 U2.11
Net-(D3-A): C29.1 C30.1 D3.2 D4.2 U4.15 U4.16
Net-(D3-K): C31.2 D3.1 U4.20
Net-(D4-K): C32.1 D4.1 U4.11
Net-(D7-A): D7.2 U8.57
Net-(D7-K): C101.1 D7.1 D9.1 F1.1 J3.1
Net-(D8-A): D8.2 U8.52
Net-(D10-K): C102.1 D8.1 D10.1 F2.1 J4.1
Net-(D13-A): D13.2 U8.58
Net-(D13-K): C107.1 D13.1 D15.1 F3.1 J5.1
Net-(D14-A): D14.2 U8.51
Net-(D14-K): C108.1 D14.1 D16.1 F4.1 J6.1
Net-(J9-Pad1): J9.1 Q29.1 Q29.2 Q29.3 R108.1
Net-(JP1-B): JP1.2 U5.19
Net-(JP2-A): JP2.1 R62.2
Net-(JP2-B): JP2.3 R64.1
Net-(JP2-C): C68.1 JP2.2 U9.11
Net-(JP3-C): JP3.2 U8.53
Net-(JP4-C): JP4.2 U8.55
Net-(JP5-C): JP5.2 U8.63
Net-(JP6-C): JP6.2 U8.61
Net-(JP7-A): JP7.1 R84.1
Net-(JP7-C): JP7.2 U8.25
Net-(JP8-C): C114.1 JP8.2 U11.12
Net-(JP9-C): JP9.2 Q24.1 Q24.2 Q24.5 Q24.6 Q24.7
Net-(JP10-C): C124.1 JP10.2 U12.12
Net-(JP11-C): JP11.2 Q28.1 Q28.2 Q28.5 Q28.6 Q28.7
Net-(Q3-G): Q3.3 R12.1 U2.23
Net-(Q4-G): Q4.3 R13.2 U2.8
Net-(Q5-G): Q5.3 U2.18 U2.19
Net-(Q6-G): Q6.3 U2.12 U2.13
Net-(Q7-G): Q7.3 R24.1 U4.23
Net-(Q8-G): Q8.3 R25.2 U4.8
Net-(Q9-G): Q9.3 U4.18 U4.19
Net-(Q10-G): Q10.3 U4.12 U4.13
Net-(Q11-D): Q11.1 R48.2
Net-(Q12-D): Q12.1 R50.2
Net-(Q13-D): Q13.1 R53.2
Net-(Q14-D): Q14.1 R55.2
Net-(Q15-D): Q15.1 R47.2
Net-(Q16-D): Q16.1 R49.2
Net-(Q17-D): Q17.1 R51.2
Net-(Q18-D): Q18.1 R52.2
Net-(Q19-D): Q19.1 R54.2
Net-(Q20-D): Q20.1 R56.2
Net-(Q21-G): Q21.3 Q22.3 R91.2 R92.2
Net-(Q21-S-Pad4): Q21.4 Q21.8 Q22.4 Q22.8 R91.1
Net-(Q23-G): Q23.3 Q24.3 R95.2 R96.2
Net-(Q23-S-Pad4): Q23.4 Q23.8 Q24.4 Q24.8 R95.1
Net-(Q25-G): Q25.3 Q26.3 R97.2 R98.2
Net-(Q25-S-Pad4): Q25.4 Q25.8 Q26.4 Q26.8 R97.1
Net-(Q27-G): Q27.3 Q28.3 R101.2 R102.2
Net-(Q27-S-Pad4): Q27.4 Q27.8 Q28.4 Q28.8 R101.1
Net-(Q29-G): Q29.4 Q30.3 R108.2
Net-(Q30-G): J9.5 Q30.1 R109.1
Net-(R2-Pad2): R2.2 R4.1
Net-(R10-Pad1): R9.2 R10.1
Net-(R16-Pad2): R16.2 R17.1
Net-(R21-Pad2): R21.2 R22.1
Net-(R32-Pad2): R32.2 R33.1
Net-(R37-Pad2): R37.2 R47.1
Net-(R38-Pad2): R38.2 R48.1
Net-(R39-Pad2): R39.2 R49.1
Net-(R40-Pad2): R40.2 R50.1
Net-(R41-Pad2): R41.2 R51.1
Net-(R42-Pad2): R42.2 R52.1
Net-(R43-Pad2): R43.2 R53.1
Net-(R44-Pad2): R44.2 R54.1
Net-(R45-Pad2): R45.2 R55.1
Net-(R46-Pad2): R46.2 R56.1
Net-(R86-Pad2): R86.2 R87.1
Net-(R88-Pad1): R88.1 R89.2
Net-(U1-MODE): TP3.1 U1.12
Net-(U1-PGOOD): TP2.1 U1.4
Net-(U2-COMP1): C24.2 R18.2 U2.29
Net-(U2-COMP2): C23.1 R16.1 U2.2
Net-(U2-CS1): L2.1 R14.2 U2.27
Net-(U2-DEMB): R23.1 U2.33
Net-(U2-HO1): R12.2 U2.22
Net-(U2-HO2): R13.1 U2.9
Net-(U2-PG1): R19.2 TP7.1 U2.24
Net-(U2-PG2): R20.1 TP6.1 U2.7
Net-(U2-RES): C25.2 U2.32
Net-(U2-RT): R21.1 U2.37
Net-(U2-SS1): C21.2 U2.30
Net-(U2-SS2): C22.2 U2.1
Net-(U2-SW1): C13.1 L2.2 Q3.4 Q3.8 Q5.1 Q5.2 Q5.5 Q5.6 Q5.7 U2.21
Net-(U2-SW2): C14.2 L3.1 Q4.4 Q4.8 Q6.1 Q6.2 Q6.5 Q6.6 Q6.7 U2.10
Net-(U4-COMP1): C42.2 R29.2 U4.29
Net-(U4-COMP2): C41.1 R28.1 U4.2
Net-(U4-DITH): C44.2 U4.36 U4.38
Net-(U4-HO1): R24.2 U4.22
Net-(U4-HO2): R25.1 U4.9
Net-(U4-RES): C43.2 U4.32
Net-(U4-RT): R32.1 U4.37
Net-(U4-SS1): C39.2 U4.30
Net-(U4-SS2): C40.2 U4.1
Net-(U4-SW1): C31.1 L4.2 Q7.4 Q7.8 Q9.1 Q9.2 Q9.5 Q9.6 Q9.7 U4.21
Net-(U4-SW2): C32.2 L5.1 Q8.4 Q8.8 Q10.1 Q10.2 Q10.5 Q10.6 Q10.7 U4.10
Net-(U4-SYNCOUT): TP11.1 U4.39
Net-(U6-DAC_1): TP26.1 U6.23
Net-(U6-DAC_2): TP27.1 U6.24
Net-(U6-GPIO4): TP15.1 U6.9
Net-(U6-GPIO5): TP16.1 U6.10
Net-(U6-GPIO6): TP17.1 U6.11
Net-(U6-GPIO7): TP18.1 U6.12
Net-(U6-GPIO8): TP19.1 U6.13
Net-(U6-GPIO9): TP20.1 U6.14
Net-(U6-GPIO10): TP21.1 U6.15
Net-(U6-GPIO11): TP22.1 U6.16
Net-(U6-GPIO12): TP23.1 U6.17
Net-(U6-GPIO13): TP24.1 U6.18
Net-(U6-GPIO14): TP25.1 U6.19
Net-(U6-GPIO21): TP28.1 U6.28
Net-(U6-XTAL_N): C65.1 U6.52 Y1.3
Net-(U6-XTAL_P): C64.1 U6.53 Y1.1
Net-(U8B-CFG_STRAP/GPIO12): R86.1 U8.20
Net-(U8B-RBAIS): R85.2 U8.1
Net-(U8B-SUSP_IND/GPIO68): TP32.1 U8.77
Net-(U8B-XTALI/CLKIN): TP31.1 U8.3 X1.3
Net-(U8C-GPIO66): TP34.1 U8.71
Net-(U8C-GPIO69): TP33.1 U8.69
Net-(U8C-SPI_CE_N/GPIO7/CFG_NON_REM): R89.1 U8.68
Net-(U8C-SPI_CLK/GPIO4): TP35.1 U8.65
Net-(U8C-SPI_DI/GPIO9/CFG_BC_EN): R90.1 U8.67
Net-(U8C-SPI_DO/GPIO5): TP36.1 U8.66
Net-(U8E-PRT_CTL1/GPIO17): TP42.1 U8.70
Net-(U8J-PRT_CTL6/GPIO18): TP30.1 U8.62
Net-(U10-ADDR): R73.2 U10.11
Net-(U10-DECAP): C72.1 R73.1 U10.8
Net-(U11-BYPASS): C118.1 U11.4
Net-(U11-EN_SINK1): R92.1 TP38.1 U11.2
